# Altium PCB environment.PcbDoc (continued)
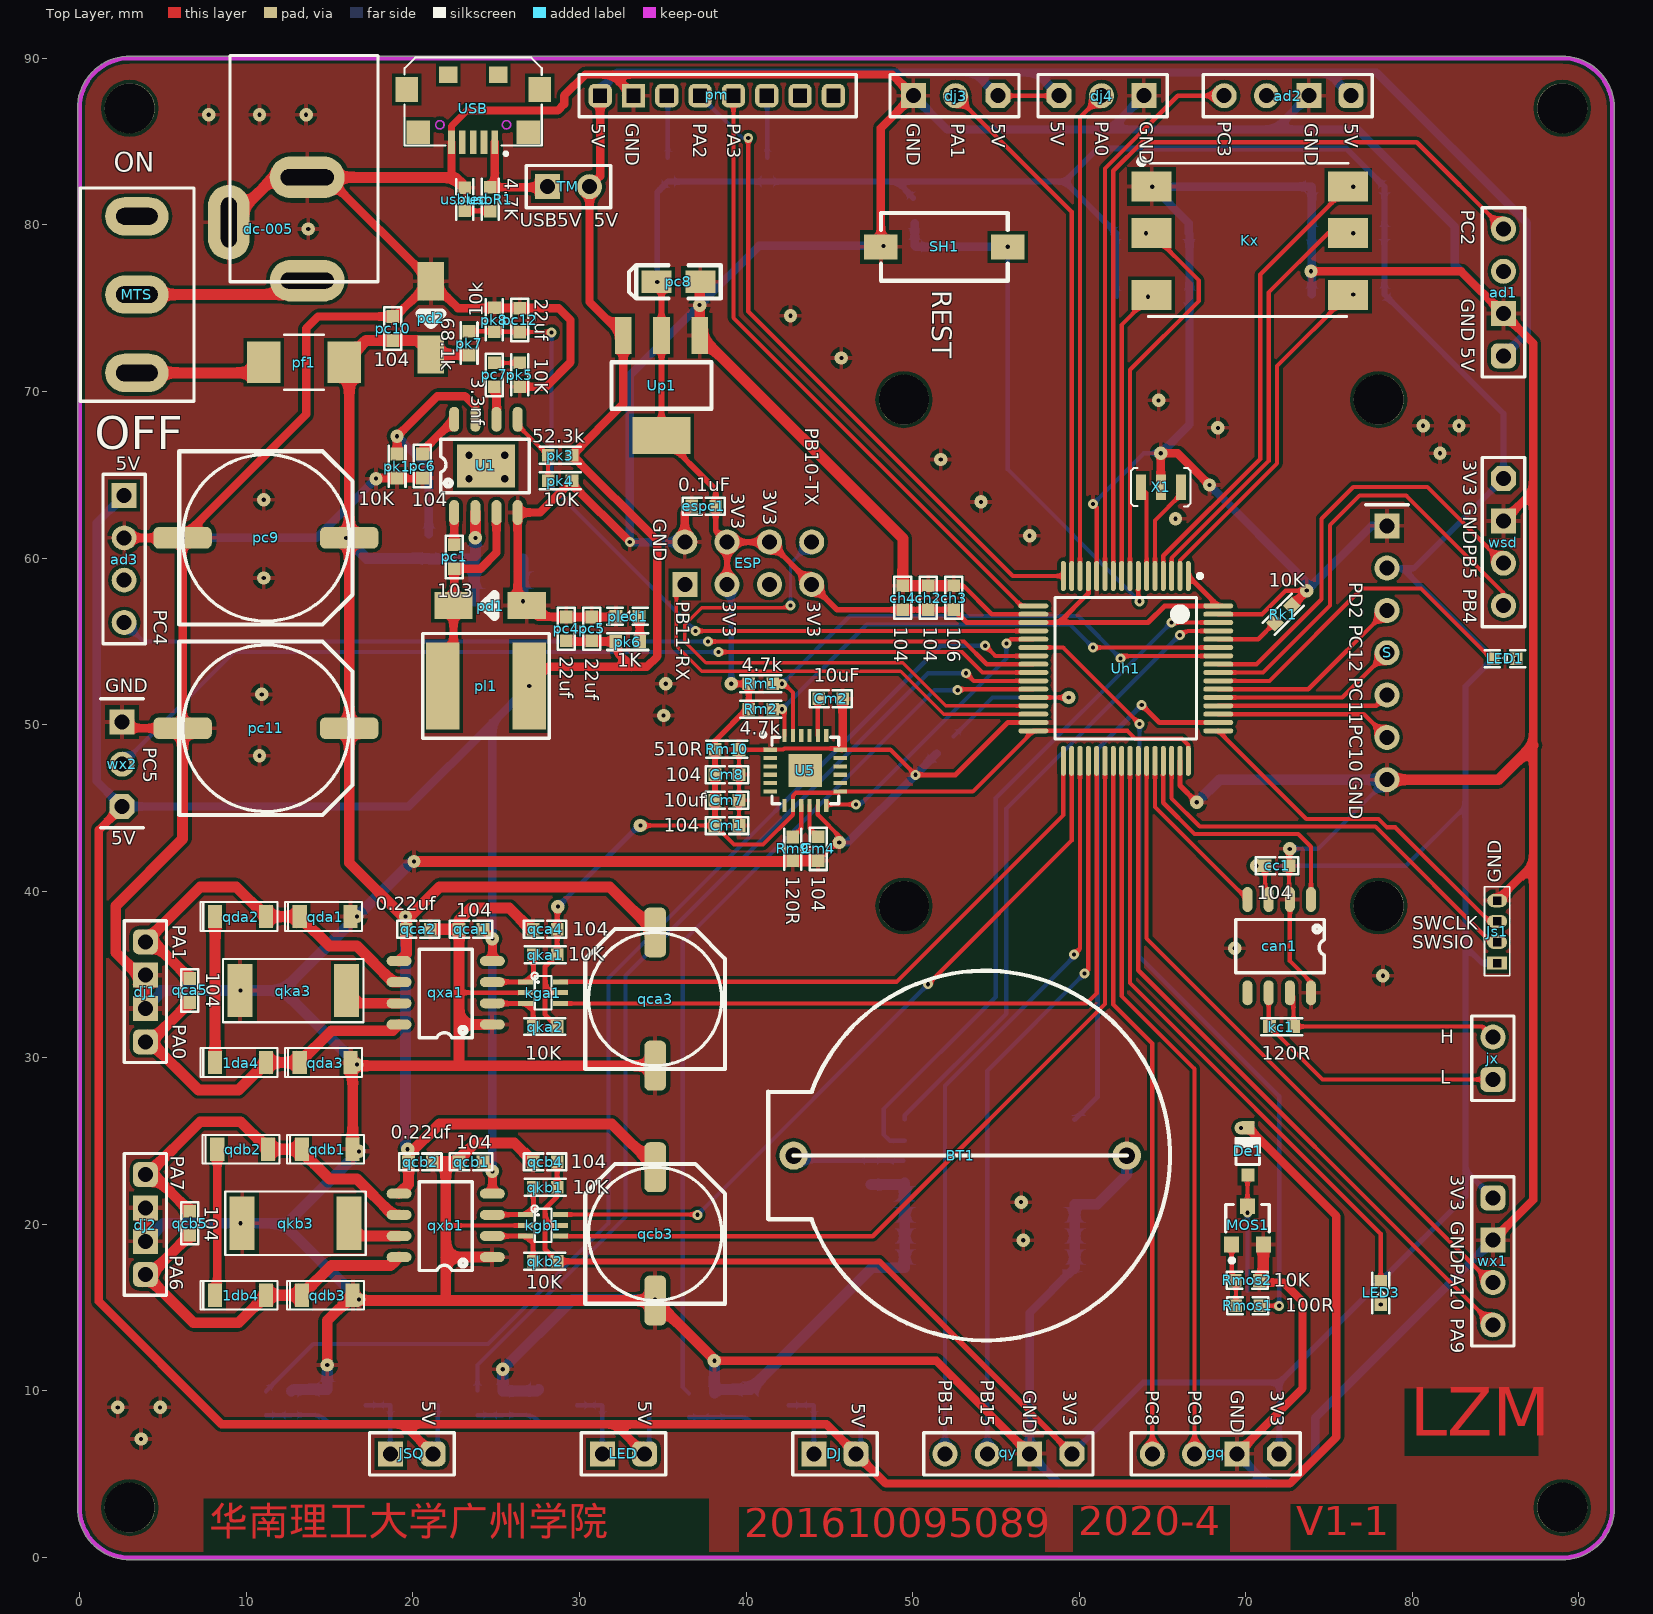
[diagram p0: Top Layer view]
## Part data (continued)
DJ JSQ jx LED PFMQ TM: library part "Header 2", "Header, 2-Pin"
dj3 dj4 wx2: library part "Header 3_1", "Header 3_1"
ESP: "HDE2X4"
Js1: library part "Header, 1*4-Pin"
kc1 Key1 Key2 Key3 Key4 Key5 pk1 pk2 pk3 pk4 pk5 pk6 pk7 pk8 qka1 qka2 qka3 qkb1 qkb2 qkb3 Rdj1 Rdj2 RH2 Rjsq1 Rjsq2 Rk1 Rk2 RL1 RL3 Rled1 Rled2 Rmos1 Rmos2 rpm1 rpm2 usbR1: library part R
Kx: library part XD_Key
LED1 LED3 pled1 usbled: library part LED
MOS1 MOS2 MOS3 MOS4: library part MOS-N, "AP2306"
pc8 pc9 pc11 qca3 qcb3: "Polarized Capacitor (Axial)"
pf1: library part "Fuse 2", "Fuse"
pl1: library part LS1
pm: library part "Header 8", "Header, 8-Pin"
qxa1 qxb1: library part A4951, "A4951"
Rm1 Rm2 Rm9 Rm10: library part Res1, "Resistor"
S: library part "Header 1X7_2_54", "7pin2_54mm"
SH1: library part KEY_DT
U1: library part MP2303A, "MPS MP2303ADN-LF-Z"
U2: "带温补的实时时钟芯片"
U5: library part MPU9250, "9轴运动处理传感器"
Up1: library part 1117-3.3, "SOT-223"
USB: library part USB5
X1: library part XTAL-3215

## Free pads (board coordinates)
  round 3 hole 3 unplated: 1(77.978,69.516) 2(77.978,39.116) 3(3,3) 3(3,87) 3(49.478,69.516) 3(89,3) 3(89,87) 4(49.478,39.116)

## Via types
v1: diameter 0.8, hole 0.25, Top Layer to Bottom Layer, 67 vias
v2: diameter 0.6, hole 0.25, Top Layer to Bottom Layer, 37 vias
v3: diameter 0.8, hole 0.45, Top Layer to Bottom Layer, 4 vias

## Nets (pads, with @x,y where several pads share a name; then routed paths per layer and width w, separated by ;. In a path a pad name is that pad's centre, name@x,y a point inside that pad or via, vN(x,y) a via of type N, cw(c..) or ccw(c..) an arc to the next point about the centre after c; other vN are vias at no path point)
3V3: can1.3 cc1.2 ch2.1 ch3.1 ch4.2 Cm1.2 Cm7.2 Cm8.2 ESP.3 ESP.4 ESP.6 ESP.7 espc1.1 gq.1 Js1.1 Key1.2 Key2.2 Key3.2 Key4.2 Key5.2 kga1.5 kgb1.5 pc8.1 qca4.2 qcb4.2 qka1.2 qka2.1 qkb1.2 qkb2.1 qy.1 RH2.2 RL1.2 RL3.2 Rm1.2 Rm2.2 Rm10.2 rpm1.1 rpm2.1 S.2 U5.8 U5.13 Uh1.1 Uh1.13 Uh1.19 Uh1.32 Uh1.48 Uh1.64 Up1.2 Up1.4 wsd.1 wx1.4 | length 357.7
  Top Layer w0.254: v1(33.655,43.942) 38.136,43.942 Cm1.2 39.283,42.799 41.021,42.799 42.811,44.589 U5.8 42.811,45.732 42.996,45.917 45.585,45.917 U5.13 53.614,45.994 Uh1.32 62.894,49.628 63.373,49.149 66.167,49.149 66.548,48.768 Uh1.48 ; cc1.2 71.158,39.719 can1.3
  Top Layer w0.3: qkb2.1 27.94,18.491 27.94,20.32 ; qka2.1 27.94,32.588 27.94,34.29 ; qcb4.2 qkb1.2 28.664,21.679 27.94,20.955 27.94,20.32 ; v1@28.664,39.078 qca4.2 qka1.2 27.94,35.469 27.94,34.29 ; kgb1.5 28.321,19.939 27.94,20.32 ; kga1.5 28.321,33.909 27.94,34.29 ; ch3.1 53.244,56.128 Uh1.19 58.795,56.128 ; Uh1.13 60.548,57.881 58.795,56.128 ; Uh1.1 Uh1.64 65.129,57.128 64.129,56.128 58.795,56.128
  Top Layer w0.35: qkb2.1 48.006,17.78 qy.1 ; pc8.1@34.925,76.414 Up1.2 Up1.4 38.176,64.107 espc1.1 38.176,61.646 ESP.4 ; Cm1.2 Cm7.2 Cm8.2 Rm10.2 38.138,49.024 40.17,51.056 40.17,52.58 40.041,52.451 v1(39.116,52.451) ; ESP.3 ESP.4 ; ch3.1@52.451,56.896 ch4.2 45.466,56.896 ESP.7 ESP.6 ESP.4
  Bottom Layer w0.254: Key1.2 62.268,79.464 Key2.2 ; v1(70.652,41.529) 79.629,41.529 83.185,45.085
  Bottom Layer w0.3: v1(28.704,39.078) 33.57,43.944 33.571,43.942 v1(33.655,43.942)
  Bottom Layer w0.35: v1(34.671,76.581) 34.671,81.966 rpm1.1 rpm2.1 49.058,82.601 ; ESP.3 39.116,58.166 v1(39.116,52.451) ; RH2.2 49.058,82.601 ; qy.1 63.841,10.501 72.009,10.501 ; Key1.2 59.131,82.601 ; gq.1 72.009,10.501 ; S.2 79.4,59.397 ; wx1.4 83.185,23.241 ; Js1.1 84.201,35.687 83.185,36.703 ; 49.058,82.601 59.131,82.601 ; 59.131,82.601 61.112,84.582 76.037,84.582 Key5.2 Key4.2 Key3.2 85.471,68.671 wsd.1 80.098,59.397 79.4,59.397 ; 72.009,10.501 RL3.2 83.185,21.677 83.185,23.241 ; 79.4,59.397 RL1.2 83.185,52.31 83.185,45.085 83.185,36.703 ; 83.185,23.241 83.185,36.703
5V: ad1.1 ad2.1 ad3.1 De1.2 De2.2 De3.2 De4.2 dj3.1 dj4.1 DJ.1 JSQ.1 LED.1 pc4.2 pc5.2 PFMQ.1 pk3.2 pk6.1 pl1.2 pm.1 qca1.1 qcb1.1 qxa1.4 qxb1.4 TM.1 Up1.3 wx2.1 | length 353.5
  Top Layer w0.254: dj3.1 dj4.1
  Top Layer w0.5: wx2.1@2.413,45.085 wx2.1 1.143,43.688 1.143,15.367 8.509,8.001 19.431,8.001 ; JSQ.1 19.431,8.001 ; qcb1.1 v1(24.771,23.184) qxb1.4 ; qca1.1 v1(24.771,37.154) qxa1.4 ; v1(26.984,52.324) 28.127,53.467 33.147,53.467 ; pc4.2@29.373,54.991 32.309,54.991 32.309,54.305 33.147,53.467 ; pm.1 31.242,82.931 TM.1 30.607,75.376 Up1.3 32.625,69.237 pk3.2 34.671,61.047 34.671,54.102 34.036,53.467 33.147,53.467 ; LED.1 32.131,8.001 ; De1.2 75.438,20.498 75.438,7.239 72.644,4.445 48.387,4.445 DJ.1 44.831,8.001 32.131,8.001 ; 19.431,8.001 32.131,8.001
  Bottom Layer w0.254: JSQ.1 ccw(c20.534,6.898) 21.488,6.898 De2.2 ; LED.1 ccw(c33.234,6.898) 34.188,6.898 De3.2 ; DJ.1 ccw(c45.934,6.898) 46.888,6.898 De4.2
  Bottom Layer w0.5: ad3.1 1.016,62.103 1.016,46.609 wx2.1 19.745,45.085 24.771,50.111 ; v1(24.771,23.184) v1(24.771,37.154) 24.771,50.111 ; v1(26.984,52.324) 24.771,50.111 ; pm.1 31.242,88.138 32.258,89.154 53.721,89.154 ; dj3.1 53.721,89.154 ; dj4.1 57.404,89.154 ; ad2.1 74.93,89.154 ; ad1.1 86.868,73.533 86.868,80.137 77.851,89.154 74.93,89.154 ; 53.721,89.154 57.404,89.154 ; 57.404,89.154 74.93,89.154
  other v1: 69.723,25.781
+3.3V: U2.2
BAT_IN: dc-005.1 MTS.2 | length 9.4
  Top Layer w0.65: MTS.2 dc-005.1@12.816,75.819
BOOT0: Rk1.2 Uh1.60 | length 3.8
  Top Layer w0.254: Uh1.60 70.747,55.128 Rk1.2
BOOT1: Rk2.2 Uh1.28 | length 10
  Top Layer w0.254: Uh1.28 v1(59.375,51.628)
  Bottom Layer w0.254: Rk2.2 54.801,51.628 v1(59.375,51.628)
GND: ad1.2 ad2.2 ad3.2 BT1.2 can1.2 can1.8 cc1.1 ch1.1 ch2.2 ch3.2 ch4.1 Cm1.1 Cm2.1 Cm4.1 Cm7.1 Cm8.1 dc-005.2 dc-005.3 dj1.2 dj1.3 dj2.2 dj2.3 dj3.3 dj4.3 dsc1.2 ESP.2 espc1.2 gq.2 Js1.4 keyC1.1 keyC2.1 keyC3.1 keyC4.1 keyC5.1 kga1.2 kgb1.2 Kx.1 MOS1.2 MOS2.2 MOS3.2 MOS4.2 pc2.1 pc3.1 pc4.1 pc5.1 pc6.2 pc8.2 pc9.2 pc10.1 pc11.2 pc12.1 pd1.1 pd2.1 pk1.2 pk4.2 pk5.1 pk8.2 pled1.2 pm.2 qca1.2 qca2.2 qca3.2 qca4.1 qcb1.2 qcb2.2 qcb3.2 qcb4.1 qda1.1 qda3.1 qdb1.1 qdb3.1 qka3.2 qkb3.2 qxa1.1 qxb1.1 qy.2 Rdj2.2 Rjsq2.2 Rk1.1 Rk2.1 Rled2.2 Rm9.2 Rm10.1 Rmos2.2 S.1 S.7 SH1.1 U1.4 U2.5 U2.6 U2.7 U2.8 U2.9 U2.10 U2.11 U2.12 U2.13 U5.1 U5.11 U5.18 Uh1.12 Uh1.18 Uh1.31 Uh1.47 Uh1.63 Up1.1 USB.5 usbled.2 wsd.2 wx1.3 wx2.3 X1.2 | length 840.5
  Top Layer w0.254: 21.973,19.939 kgb1.2 ; 22.771,33.909 kga1.2 ; pk8.2 pc12.1@26.403,75.019 ; Cm1.1 Cm7.1 Cm8.1 Rm10.1 39.593,48.494 U5.1 41.48,48.514 42.234,48.514 42.289,48.569 42.424,48.569 42.426,48.571 44.696,48.571 44.698,48.569 U5.18@45.737,48.569 ; U5.11 44.311,44.589 45.695,43.205 Cm4.1 ; U5.18 48.661,48.494 v2(50.165,46.99) ; ch3.2 53.035,58.344 54.751,56.628 Uh1.18 ; v2(60.833,63.246) 61.048,63.031 Uh1.12 ; Uh1.63 70.979,56.628 72.39,58.039 v1@73.66,58.039 ; v1@72.593,42.494 cc1.1 72.593,39.554 can1.2 72.644,35.814 73.914,34.544 can1.8
  Top Layer w0.3: v2(50.165,46.99) 52.578,46.99 55.716,50.128 Uh1.31 ; Uh1.47 66.048,46.347 v1(67.056,45.339)
  Top Layer w0.35: pm.2 pm.2@33.242,88.17
  Top Layer w0.4: USB.5 22.322,85.933 23.257,86.868
  Top Layer w0.5: wx2.3 2.921,49.784 pc11.2 v1(6.176,61.214) ; ad3.2 v1(6.176,61.214) ; dc-005.3@14.848,82.856 pd2.1 ; v1@17.818,64.808 pk1.2 pc6.2 ; USB.5 22.322,83.026 22.492,82.856 ; 23.257,86.868 28.702,86.868 29.083,87.249 29.083,87.757 30.353,89.027 31.972,89.027 ; pk5.1 27.991,70.282 29.464,71.755 29.464,74.295 28.753,75.006 pc12.1 22.698,75.006 pd2.1 ; pc4.1@29.337,56.464 pd1.1@27.524,56.464 ; pled1.2@32.322,56.517 32.269,56.464 pd1.1@27.524,56.464 ; v2(33.02,60.96) 29.553,64.427 pk4.2 27.644,62.732 U1.4 26.289,57.699 pd1.1 pd1.1@27.524,56.464 ; pm.2 31.972,89.027 ; ESP.2 36.322,62.702 espc1.2 ; v1(38.1,11.811) 51.435,11.811 qy.2 ; U5.18@45.737,48.569 45.796,48.628 Cm2.1 ; SH1.1 48.095,85.814 dj3.3 48.768,89.027 31.972,89.027 ; X1.2 v1(64.897,66.294) 65.913,66.294 v1(67.818,64.389) ; gq.2 73.406,10.16 73.406,15.367 72.263,16.51 70.928,16.51 Rmos2.2 ; Rk1.1 v1@73.66,58.039 ; v1(73.914,77.216) 82.931,77.216 ad1.2 87.249,72.898 87.249,64.008 ; wx1.3 87.249,21.463 87.249,41.596 ; Js1.4 87.249,41.596 ; wsd.2 87.249,64.008 ; v1(6.176,61.214) 13.589,68.627 13.589,73.787 14.3,74.498 pc10.1 18.958,74.498 pd2.1 ; 87.249,41.596 87.249,48.768 87.249,64.008
  Top Layer w0.65: dj2.3 dj2.2 ; dj1.3 dj1.2 3.524,34.957 2.159,36.322 2.159,39.116 6.176,43.133 pc11.2 ; dc-005.2 11.653,82.856 dc-005.3 14.848,82.856 22.492,82.856 usbled.2 ; v1(14.859,11.557) 14.859,14.223 qdb3.1 16.701,15.431 qcb3.2 38.1,11.875 v1(38.1,11.811) ; qda3.1 16.384,29.591 qdb1.1 ; qda3.1@16.637,29.528 qca3.2 ; v1(20.066,41.783) 42.759,41.783 Rm9.2 Cm4.1@44.31,41.821 ; qca2.2 21.047,37.721 qca1.2 ; qcb2.2 21.174,23.751 21.973,23.751 ; 21.973,15.433 21.973,18.034 ; 22.771,29.566 22.771,32.004 ; qxb1.1 21.973,18.034 ; qxa1.1 22.771,32.004 ; qcb4.1 26.086,24.892 23.749,24.892 22.771,23.914 qcb1.2 21.973,23.751 ; qca4.1 27.051,37.719 25.781,38.989 23.495,38.989 22.771,38.265 qca1.2 ; pc8.2@37.225,76.428 Up1.1 49.416,61.167 ch4.1 ch3.2@52.453,58.331 ; Rmos2.2 71.054,16.887 MOS1.2 ; S.7 85.178,46.697 87.249,48.768 ; 21.973,18.034 21.973,23.751 ; 22.771,32.004 qca1.2
  Bottom Layer w0.254: v2(60.833,63.246) 63.881,66.294 v1(64.897,66.294) ; v1(72.644,42.545) 74.326,42.545 S.7
  Bottom Layer w0.5: v1(6.176,61.214) 14.224,61.214 v1(17.78,64.77) ; ESP.2 v2(33.02,60.96) 33.02,70.993 v1(37.211,75.184) 40.767,78.74 v1(48.26,78.74) ; v1(45.593,42.926) 46.101,42.926 v2(50.165,46.99) Rk2.1 ; dj3.3 52.07,85.725 61.849,85.725 ; U2.8 57.023,14.692 qy.2 58.801,4.445 71.247,4.445 ; dj4.3 61.849,85.725 ; v1(64.897,66.294) 66.624,68.021 keyC2.1 66.624,79.466 keyC1.1 66.586,80.099 v1(64.389,82.296) keyC5.1 keyC4.1 keyC3.1 ; v1(67.818,64.389) 73.66,58.547 v1(73.66,58.045) 77.552,61.937 S.1 ; gq.2 71.247,4.445 ; ad2.2 71.755,85.725 ; wx1.3 74.168,8.382 74.168,5.969 72.644,4.445 71.247,4.445 ; ad1.2 82.55,77.597 82.55,79.883 76.708,85.725 71.755,85.725 ; 61.849,85.725 71.755,85.725
  Bottom Layer w0.65: dj2.3 5.016,20.066 v1(9.652,20.066) 12.192,20.066 ; dj1.3 4.858,33.878 4.858,34.036 v1(9.652,34.036) 12.192,34.036 ; Rjsq2.2 cw(c12.938,9.756) 12.938,10.094 MOS2.2 14.854,11.552 v1(14.859,11.557) ; v1(16.637,29.591) 12.192,34.036 ; v1(16.764,15.494) 12.192,20.066 ; v1(16.764,24.384) 12.446,20.066 12.192,20.066 ; v1(20.066,41.783) 19.939,41.783 v1(16.637,38.481) 12.192,34.036 ; v1(26.607,57.404) pc3.1 ; MOS3.2 27.455,9.995 Rled2.2 v1(25.398,11.301) 29.591,15.494 v1(34.544,15.494) ; v1(38.1,11.811) 38.098,11.809 Rdj2.2 cw(c38.644,9.322) 38.644,10.094 MOS4.2 47.559,17.399 U2.9 U2.10 U2.11 U2.12 U2.13 49.441,22.39 dsc1.2 ; U2.8 U2.7 U2.6 U2.5 61.087,21.209 62.856,22.978 BT1.2 ; v1(67.056,45.339) 68.414,46.697 S.7
  other v1: 3.683,7.112 2.286,9.017 4.826,9.017 56.642,19.05 56.515,21.336 78.232,34.925 69.342,36.576 10.795,48.133 35.052,50.546 10.922,51.816 35.179,52.451 11.049,58.801 57.023,61.341 65.786,62.357 54.102,63.373 11.049,63.5 51.689,65.913 81.661,66.294 68.326,67.818 80.645,67.945 82.804,67.945 64.77,69.469 45.72,72.009 42.672,74.549 13.716,79.756 7.747,86.614 10.795,86.614 13.589,86.614
KEY1: Key1.1 keyC1.2 Kx.2 Uh1.8 | length 25.3
  Top Layer w0.254: Uh1.8 63.048,71.303 67.183,75.438 67.183,76.669 Kx.2
  Bottom Layer w0.254: v2(64.008,79.502) 63.667,79.502 Key1.1 65.149,79.504 keyC1.2
KEY2: Key2.1 keyC2.2 Kx.3 Uh1.9 | length 18.9
  Top Layer w0.254: Uh1.9 62.548,74 Kx.3@64.188,75.639
  Bottom Layer w0.254: Key2.1 v2(64.135,75.692) keyC2.2@65.187,75.692
KEY3: Key3.1 keyC3.2 Kx.6 Uh1.2 | length 22.5
  Top Layer w0.254: Uh1.2 66.048,59.853 71.882,65.687 71.882,71.534 Kx.6
  Bottom Layer w0.254: keyC3.2 76.452,75.821 v2(76.454,75.819) Key3.1
KEY4: Key4.1 keyC4.2 Kx.5 Uh1.3 | length 27.2
  Top Layer w0.254: Uh1.3 65.548,59.995 71.374,65.821 71.374,75.946 74.93,79.502 Kx.5
  Bottom Layer w0.254: keyC4.2 76.884,79.504 Key4.1
  other v2: 76.454,79.502
KEY5: Key5.1 keyC5.2 Kx.4 Uh1.4 | length 29.5
  Top Layer w0.254: Uh1.4 65.048,60.137 70.866,65.955 70.866,77.018 Kx.4
  Bottom Layer w0.254: keyC5.2 76.452,82.298 v2(76.454,82.296) Key5.1
M1-OUT1: dj1.1 qca5.2 qda1.2 qda2.1 qxa1.6 | length 22.5
  Top Layer w0.65: qca5.2 4.409,36.957 dj1.1 7.239,40.259 9.399,40.259 qda2.1 qda1.2 14.985,36.703 16.637,36.703 18.796,34.544 qxa1.6
M1-OUT2: 1da4.1 dj1.4 qca5.1 qda3.2 qxa1.8 | length 21.1
  Top Layer w0.65: qca5.1 4.236,30.957 7.126,28.067 9.526,28.067 1da4.1 qda3.2 15.112,31.623 18.79,31.623 qxa1.8
M2-OUT1: dj2.1 qcb5.2 qdb1.2 qdb2.1 qxb1.6 | length 22.3
  Top Layer w0.65: qcb5.2 4.409,22.987 4.064,22.987 7.239,26.162 9.653,26.162 qdb2.1 qdb1.2 13.334,24.385 14.986,22.733 16.637,22.733 18.796,20.574 qxb1.6
M2-OUT2: 1db4.1 dj2.4 qcb5.1 qdb3.2 qxb1.8 | length 21.7
  Top Layer w0.65: qcb5.1 4.236,16.987 dj2.4 6.827,14.097 9.526,14.097 1db4.1 qdb3.2 15.112,17.526 18.663,17.526 qxb1.8
Net1da4_2: 1da4.2 qda2.2 | length 8.8
  Top Layer w0.65: 1da4.2 qda2.2
Net1db4_2: 1db4.2 qdb2.2 | length 8.8
  Top Layer w0.5: 1db4.2 8.254,15.875 qdb2.2
NetBT1_1: BT1.1 dsc1.1 U2.14 | length 6.7
  Bottom Layer w0.254: BT1.1 43.161,23.825 dsc1.1 U2.14@49.454,23.825
Netcan1_6: can1.6 jx.2 kc1.1 | length 16.8
  Top Layer w0.254: can1.6 71.374,31.928 kc1.1 74.6,28.702 jx.2
Netcan1_7: can1.7 jx.1 kc1.2 | length 14.4
  Top Layer w0.254: can1.7 72.86,33.687 kc1.2 84.203,31.875 jx.1
NetCm2_2: Cm2.2 U5.20 | length 2.2
  Top Layer w0.254: U5.20 Cm2.2@44.311,51.514
NetCm4_2: Cm4.2 U5.10 | length 2.1
  Top Layer w0.254: U5.10 43.811,43.783 Cm4.2
NetDe1_1: De1.1 MOS1.3 PFMQ.2 | length 6.5
  Top Layer w0.254: MOS1.3 De1.1@70.104,22.936
  Bottom Layer w0.254: PFMQ.2 v2(70.104,20.701)
NetDe2_1: De2.1 JSQ.2 MOS2.3 | length 4.4
  Bottom Layer w0.254: MOS2.3 De2.1 18.644,6.284 ccw(c18.73,6.284) JSQ.2
NetDe3_1: De3.1 LED.2 MOS3.3 | length 4.4
  Bottom Layer w0.254: MOS3.3 De3.1 cw(c31.282,9.083) 31.369,9.083 LED.2
NetDe4_1: De4.1 DJ.2 MOS4.3 | length 4.4
  Bottom Layer w0.254: MOS4.3 De4.1 cw(c43.982,9.083) 44.069,9.083 DJ.2
Netkga1_1: kga1.1 qka1.1 qxa1.3 | length 3.8
  Top Layer w0.3: qxa1.3@24.771,34.559 kga1.1 27.229,35.025 qka1.1
Netkga1_3: kga1.3 qka2.2 qxa1.2 | length 3.5
  Top Layer w0.3: qxa1.2@24.771,33.259 kga1.3 ; kga1.3@26.788,33.234 27.216,32.806 qka2.2
Netkgb1_1: kgb1.1 qkb1.1 qxb1.3 | length 3.8
  Top Layer w0.3: qxb1.3 24.786,20.589 kgb1.1 27.229,21.055 qkb1.1
Netkgb1_3: kgb1.3 qkb2.2 qxb1.2 | length 3.7
  Top Layer w0.3: qxb1.2 24.786,19.289 kgb1.3 27.216,18.836 qkb2.2
NetLED1_1: LED1.1 RL1.1
  other v2: 86.246,53.959
NetLED3_1: LED3.1 RL3.1
  other v2: 78.105,15.189
NetMOS1_1: MOS1.1 Rmos1.2 Rmos2.1 | length 3.8
  Top Layer w0.254: MOS1.1 69.154,16.85 Rmos2.1 69.406,16.599 Rmos1.2
NetMOS2_1: MOS2.1 Rjsq1.2 Rjsq2.1 | length 3.8
  Bottom Layer w0.254: Rjsq1.2 12.669,8.547 ccw(c12.669,8.59) Rjsq2.1 13.97,8.56 cw(c13.97,7.311) MOS2.1
NetMOS3_1: MOS3.1 Rled1.2 Rled2.1 | length 3.8
  Bottom Layer w0.254: Rled1.2 25.369,8.547 ccw(c25.369,8.59) Rled2.1 26.67,8.56 cw(c26.67,7.311) MOS3.1
NetMOS4_1: MOS4.1 Rdj1.2 Rdj2.1 | length 3.7
  Bottom Layer w0.254: Rdj1.2@36.578,8.42 38.069,8.42 ccw(c38.069,8.463) Rdj2.1 39.677,8.433 cw(c39.677,7.617) MOS4.1
Netpc1_1: pc1.1 pd1.2 pl1.1 U1.3 | length 12.6
  Top Layer w0.5: pl1.1 22.438,52.978 pd1.2 ; pd1.2@22.479,57.191 pc1.1 24.054,59.36 25.019,60.325 U1.3
Netpc1_2: pc1.2 U1.1 | length 1.9
  Top Layer w0.5: pc1.2@22.479,60.797 U1.1
Netpc6_1: pc6.1 U1.8 | length 2.9
  Top Layer w0.254: pc6.1 pc6.1@20.574,66.427
  Top Layer w0.5: pc6.1@20.574,66.427 U1.8
Netpc7_1: pc7.1 U1.6 | length 1.8
  Top Layer w0.5: U1.6 pc7.1@25.019,70.155
Netpc7_2: pc7.2 pk5.2 | length 1.5
  Top Layer w0.254: pc7.2 pk5.2
Netpk1_1: pk1.1 pk2.1 U1.7 | length 14.5
  Top Layer w0.5: pk1.1 v1(19.05,67.31) 21.463,69.723 23.114,69.723 23.749,69.088 U1.7
  Bottom Layer w0.5: v1(19.05,67.31) 20.955,65.405 pk2.1
Netpk3_1: pk3.1 pk4.1 U1.5 | length 4.1
  Top Layer w0.254: U1.5@26.289,67.996 pk3.1 pk4.1
Netpk6_2: pk6.2 pled1.1 | length 1.5
  Top Layer w0.5: pk6.2 pled1.1@33.617,56.477
Netpm_3: pm.3 rpm1.2 | length 3.8
  Top Layer w0.254: pm.3 pm.3@35.308,87.691
  Bottom Layer w0.254: rpm1.2 pm.3@35.304,87.695
Netpm_6: pm.6 rpm2.2 | length 3.7
  Bottom Layer w0.254: rpm2.2 pm.6@41.273,87.726
Netqka3_1: qka3.1 qxa1.7 | length 3.5
  Top Layer w0.65: qka3.1 16.789,33.274 qxa1.7
Netqkb3_1: qkb3.1 qxb1.7 | length 3.3
  Top Layer w0.65: qkb3.1 16.916,19.304 qxb1.7
NetRm9_1: Rm9.1 U5.9 | length 2.1
  Top Layer w0.254: Rm9.1 43.311,43.768 U5.9
NetUh1_5: Uh1.5 X1.1 | length 5.5
  Top Layer w0.254: Uh1.5 64.548,62.262 X1.1@66.097,63.811
NetUh1_6: Uh1.6 X1.3 | length 5.5
  Top Layer w0.254: X1.3 64.048,63.911 Uh1.6
Netusbled_1: usbled.1 usbR1.1 | length 1.5
  Top Layer w0.3: usbled.1 usbR1.1@24.613,80.848
NRST: ch1.2 RH2.1 SH1.2 Uh1.7 | length 33
  Top Layer w0.254: Uh1.7 63.548,57.483 v2(63.627,57.404)
  Bottom Layer w0.254: v2(55.715,78.685) 55.715,65.316 v2(63.627,57.404)
  Bottom Layer w0.5: ch1.2 RH2.1@50.127,80.099 ; ch1.2@50.184,78.685 v2(55.715,78.685)
PA0: dj4.2 Uh1.14 | length 29.4
  Top Layer w0.254: Uh1.14 60.048,86.464 dj4.2
PA1: dj3.2 Uh1.15 | length 31.7
  Top Layer w0.254: dj3.2 59.548,80.787 Uh1.15
PA2: pm.4 Uh1.16 | length 39.8
  Top Layer w0.254: v2(40.132,85.217) 40.132,74.803 56.007,58.928 Uh1.16
  Bottom Layer w0.254: pm.4 39.782,85.217 v2(40.132,85.217)
PA3: pm.5 Uh1.17 | length 38.5
  Top Layer w0.254: pm.5 39.242,74.423 56.537,57.128 Uh1.17
PA4: pc12.2 pk7.2 pk8.1 Uh1.20 | length 46.7
  Top Layer w0.254: pk7.2 pk8.1@24.854,73.622 ; pk8.1 26.402,73.584 pc12.2 v2@28.283,73.571 ; v2(36.957,55.626) 57.246,55.626 Uh1.20
  Bottom Layer w0.254: v2(28.321,73.533) 28.321,64.262 v2(36.957,55.626)
PA5: U5.12 Uh1.21 | length 17.1
  Top Layer w0.254: U5.12 44.88,45.212 v2(46.609,45.212) ; v2(55.626,54.864) 55.89,55.128 Uh1.21
  Bottom Layer w0.254: v2(46.609,45.212) 46.863,45.212 55.626,53.975 v2(55.626,54.864)
PA6: Rmos1.1 Uh1.22 | length 47.8
  Top Layer w0.254: Uh1.22 59.037,54.628 v2(63.627,50.038) ; Rmos1.1 v2(72.009,15.113)
  Bottom Layer w0.254: v2(63.627,50.038) 63.627,36.068 72.009,27.686 v2(72.009,15.113)
PA7: Rjsq1.1 Uh1.23 | length 73.5
  Top Layer w0.254: v2(54.356,54.737) 54.965,54.128 Uh1.23
  Bottom Layer w0.254: Rjsq1.1 14.021,12.827 24.504,12.827 31.75,20.073 31.75,34.798 51.689,54.737 v2(54.356,54.737)
PA8: LED3.2 Uh1.41 | length 37.6
  Top Layer w0.254: Uh1.41 63.048,34.488 78.105,19.431 LED3.2@78.105,16.51
PA9: Uh1.42 wx1.1 | length 42.7
  Top Layer w0.254: Uh1.42 63.548,35.258 wx1.1
PA10: Uh1.43 wx1.2 | length 40
  Top Layer w0.254: Uh1.43 64.048,37.171 84.709,16.51 wx1.2
PA11: can1.4 Uh1.44 | length 10.6
  Top Layer w0.254: Uh1.44 64.548,45.059 can1.4
PA12: can1.1 Uh1.45 | length 15.6
  Top Layer w0.254: Uh1.45 65.048,45.315 66.929,43.434 73.152,43.434 73.914,42.672 can1.1
PA13: Js1.2 Uh1.46 | length 25.4
  Top Layer w0.254: Uh1.46 65.548,45.577 67.237,43.888 77.778,43.888 84.729,36.937 Js1.2
PA14: Js1.3 Uh1.49 | length 21.5
  Top Layer w0.254: Uh1.49 73.634,44.342 77.966,44.342 78.474,43.834 78.975,43.834 84.622,38.187 Js1.3
PA15: U2.1 Uh1.50 | length 31.6
  Top Layer w0.3: v2(63.754,51.181) 64.807,50.128 Uh1.50
  Bottom Layer w0.3: U2.1 61.087,27.646 61.087,48.514 v2(63.754,51.181)
PB0: Rled1.1 Uh1.26 | length 60.8
  Top Layer w0.254: v2(53.213,53.086) 53.671,52.628 Uh1.26
  Bottom Layer w0.254: Rled1.1@23.876,10.033 23.876,11.557 32.766,20.447 32.766,34.925 50.927,53.086 v2(53.213,53.086)
PB1: Rdj1.1 Uh1.27 | length 54.6
  Top Layer w0.254: v2(52.705,52.07) 52.763,52.128 Uh1.27
  Bottom Layer w0.254: Rdj1.1@36.576,9.855 36.195,10.236 36.195,36.957 51.308,52.07 v2(52.705,52.07)
PB3: LED1.2 Uh1.55 | length 20.5
  Top Layer w0.254: Uh1.55 71.424,52.628 76.962,58.166 80.518,58.166 84.723,53.961 LED1.2
PB4: Uh1.56 wsd.4 | length 27.5
  Top Layer w0.254: Uh1.56 71.035,53.128 75.057,57.15 75.057,61.976 76.835,63.754 79.629,63.754 85.471,57.912 wsd.4
PB5: Uh1.57 wsd.3 | length 26.2
  Top Layer w0.254: Uh1.57 70.646,53.628 74.549,57.531 74.549,62.357 76.454,64.262 80.899,64.262 wsd.3
PB6: Rm1.1 U5.23 Uh1.58 | length 32.8
  Top Layer w0.254: Rm1.1@41.605,52.578 42.164,52.578 42.811,51.931 U5.23 ; v2@62.637,54.128 Uh1.58
  Bottom Layer w0.254: v2(42.164,52.451) 46.228,56.515 59.944,56.515 v2(62.484,53.975)
PB7: Rm2.1 U5.24 Uh1.59 | length 31.2
  Top Layer w0.254: Rm2.1@41.605,51.054 42.164,51.054 42.311,50.907 U5.24 ; v2(60.833,54.628) Uh1.59
  Bottom Layer w0.254: v2(42.164,50.927) 47.244,56.007 59.454,56.007 v2(60.833,54.628)
PB8: U2.16 Uh1.61 | length 38.3
  Top Layer w0.254: v2(66.04,55.372) cw(c66.658,54.754) 66.658,55.628 Uh1.61
  Bottom Layer w0.254: U2.16 49.53,26.55 55.626,32.646 55.626,44.958 v2(66.04,55.372)
PB9: U2.15 Uh1.62 | length 42.1
  Top Layer w0.254: v2@65.532,56.128 Uh1.62
  Bottom Layer w0.254: U2.15 48.641,25.019 48.26,25.4 48.26,26.924 54.991,33.655 54.991,45.593 v2(65.532,56.134)
PB10: ESP.8 Uh1.29 | length 34.7
  Top Layer w0.2: v2(42.672,57.15) 42.545,57.023 37.338,57.023 36.322,56.007 36.322,54.991 37.592,53.721 49.403,53.721 51.996,51.128 Uh1.29
  Bottom Layer w0.2: v2(42.672,57.15) 42.672,59.69 ESP.8
PB11: ESP.1 Uh1.30 | length 27
  Top Layer w0.2: ESP.1 35.814,57.912 35.814,54.737 37.338,53.213 49.276,53.213 51.861,50.628 Uh1.30
PB12: kga1.6 Uh1.33 | length 37.6
  Top Layer w0.254: kga1.6 49.037,34.559 59.048,44.57 Uh1.33
PB13: kgb1.6 Uh1.34 | length 44.8
  Top Layer w0.254: kgb1.6 v2@37.084,20.589 ; v2(50.927,34.417) 59.548,43.038 Uh1.34
  Bottom Layer w0.254: v2(37.084,20.574) v2(50.927,34.417)
PB14: qy.4 Uh1.35 | length 45
  Top Layer w0.254: v2(59.69,36.195) 60.048,36.553 Uh1.35
  Bottom Layer w0.254: qy.4 51.943,28.321 59.69,36.068 v2(59.69,36.195)
PB15: qy.3 Uh1.36 | length 44.1
  Top Layer w0.254: v2(60.325,35.052) 60.548,35.275 Uh1.36
  Bottom Layer w0.254: qy.3 54.483,29.21 v2(60.325,35.052)
PC2: ad1.4 Uh1.10 | length 50.6
  Top Layer w0.254: Uh1.10 62.048,83.25 63.761,84.963 80.264,84.963 ad1.4
PC3: ad2.4 Uh1.11 | length 33.4
  Top Layer w0.254: Uh1.11 61.548,83.392 65.913,87.757 ad2.4
PC4: ad3.4 Uh1.24 | length 55.7
  Top Layer w0.254: v2(37.719,54.991) 53.086,54.991 54.449,53.628 Uh1.24
  Bottom Layer w0.254: ad3.4 3.937,54.864 4.064,54.991 v2(37.719,54.991)
PC5: Uh1.25 wx2.2 | length 58
  Top Layer w0.254: v2(38.354,54.356) 52.959,54.356 54.187,53.128 Uh1.25
  Bottom Layer w0.254: wx2.2 9.271,54.356 v2(38.354,54.356)
PC6: kga1.4 Uh1.37 | length 46.4
  Top Layer w0.254: kga1.4 60.437,33.259 61.048,33.87 Uh1.37
PC7: kgb1.4 Uh1.38 | length 53.1
  Top Layer w0.254: kgb1.4 47.61,19.289 61.548,33.227 Uh1.38
PC8: gq.4 Uh1.39 | length 42.6
  Top Layer w0.254: Uh1.39 62.048,33.202 64.389,30.861 gq.4
PC9: gq.3 Uh1.40 | length 43.4
  Top Layer w0.254: Uh1.40 62.548,33.718 66.929,29.337 gq.3
PC10: S.6 Uh1.51 | length 10.7
  Top Layer w0.254: Uh1.51 77.087,50.628 S.6
PC11: S.5 Uh1.52 | length 10.4
  Top Layer w0.254: Uh1.52 77.829,51.128 S.5
PC12: S.4 Uh1.53 | length 11.2
  Top Layer w0.254: Uh1.53 75.789,51.628 S.4
PD2: S.3 Uh1.54 | length 12.1
  Top Layer w0.254: Uh1.54 73.749,52.128 S.3
USB5V: TM.2 USB.1 usbR1.2 | length 6.2
  Top Layer w0.5: USB.1 24.922,82.54 usbR1.2 TM.2@28.067,82.258
VCC: pc2.2 pc3.2 pc9.1 pc10.2 pc11.1 pd2.2 pf1.2 pk2.2 pk7.1 qca2.1 qca3.1 qcb2.1 qcb3.1 qxa1.5 qxb1.5 U1.2 | length 109.7
  Top Layer w0.65: qxb1.5 19.736,22.409 qcb2.1 19.736,24.181 21.59,26.035 31.94,26.035 qcb3.1 ; qxa1.5 19.609,36.252 qca2.1 v1@19.609,38.278 ; pk7.1@23.333,72.222 pd2.2 20.241,73.063 pc10.2 17.183,73.063 pf1.2 16.176,71.454 pc9.1 pc11.1 16.176,41.711 v1@19.609,38.278 ; v1(23.749,61.214) U1.2 ; qca3.1 31.813,40.259 21.59,40.259 v1@19.609,38.278
  Bottom Layer w0.65: v1(16.002,61.214) 17.234,59.982 pk2.2 20.995,59.944 pc3.2 ; v1(19.558,38.481) 19.558,24.638 v1(19.685,24.511) ; pc2.2 pc3.2 ; v1(23.749,61.214) 23.749,60.008 pc3.2
VCC_IN: MTS.1 pf1.1 | length 7.9
  Top Layer w0.65: MTS.1 10.413,71.119 pf1.1
pads on no net: ad1.3 ad2.3 ad3.3 can1.5 ESP.5 MTS.3 pm.7 pm.8 U1.9 U2.3 U2.4 U5.0 U5.2 U5.3 U5.4 U5.5 U5.6 U5.7 U5.14 U5.15 U5.16 U5.17 U5.19 U5.21 U5.22 USB.0 USB.2 USB.3 USB.4
copper on no net:
  other v3: 23.368,64.77 25.527,64.77 23.368,66.167 25.527,66.167

## Polygon pours and split planes (outlines as drawn)
GND on Bottom Layer "Bottom Layer-No Net" (solid, remove dead copper, pour order 4): -3.302,93.472 -1.524,91.694 102.108,91.694 102.108,4.064 88.773,-9.271 83.312,-3.81 -6.223,-3.81
GND on Top Layer "Bottom Layer-No Net" (solid, remove dead copper, pour order 6): -1.651,94.361 97.917,94.361 100.076,92.202 100.076,3.937 91.948,-4.191 90.043,-2.286 -5.334,-2.286

## Keep-outs
Keep-Out Layer:
  lines w0.254: -0.006,3.048 ccw(c3,3) 3.048,-0.006 ; -0.006,86.952 cw(c3,87) 3.048,90.006 ; 0,3.048 0,86.952 ; 3.048,0 89,0 ; 3.048,90 89,90 ; 88.952,-0.006 ccw(c89,3) 92.006,3.048 ; 88.952,90.006 cw(c89,87) 92.006,86.952 ; 92,3.048 92,86.952

## Other copper
Top Layer:
  text "LZM" at 79.883,6.35 h5
  text "华南理工大学广州学院" at 7.747,0.762 h3
  text "2020-4" at 59.944,0.762 h3
  text "V1-1" at 73.025,0.762 h3
  text "201610095089" at 39.878,0.635 h3

## Silkscreen, mask and mechanical layers (free items; w line width, h text height)
Top Overlay:
  text "5V" at 58.293,86.233 h0.8 r270
  text "PA0" at 60.96,86.233 h0.8 r270
  text "GND" at 63.627,86.233 h0.8 r270
  text "PC3" at 68.326,86.233 h0.8 r270
  text "5V" at 30.734,86.106 h0.8 r270
  text "GND" at 32.766,86.106 h0.8 r270
  text "PA2" at 36.83,86.106 h0.8 r270
  text "PA3" at 38.862,86.106 h0.8 r270
  text "GND" at 49.657,86.106 h0.8 r270
  text "PA1" at 52.324,86.106 h0.8 r270
  text "5V" at 54.737,86.106 h0.8 r270
  text "GND" at 73.533,86.106 h0.8 r270
  text "5V" at 75.946,86.106 h0.8 r270
  text "ON" at 2.032,82.804 h2
  text "PC2" at 82.931,80.899 h0.8 r270
  text "USB5V" at 26.416,79.883 h0.8
  text "5V" at 30.861,79.883 h0.8
  text "REST" at 50.8,76.073 h2 r270
  text "GND" at 82.931,75.565 h0.8 r270
  text "5V" at 82.931,72.644 h0.8 r270
  text "PB10-TX" at 43.561,67.818 h0.8 r270
  text "OFF" at 0.889,66.548 h2
  text "3V3" at 83.058,65.913 h0.8 r270
  text "5V" at 2.159,65.278 h0.8
  text "3V3" at 41.021,64.135 h0.8 r270
  text "3V3" at 39.116,63.881 h0.8 r270
  text "GND" at 83.058,63.373 h0.8 r270
  text "GND" at 34.417,62.357 h0.8 r270
  text "PB5" at 83.058,60.833 h0.8 r270
  text "PD2" at 76.2,58.547 h0.8 r270
  text "PB4" at 83.058,58.166 h0.8 r270
  text "PB11-RX" at 35.814,57.404 h0.8 r270
  text "3V3" at 38.608,57.404 h0.8 r270
  text "3V3" at 43.688,57.404 h0.8 r270
  text "PC4" at 4.445,56.896 h0.8 r270
  text "PC12" at 76.2,56.007 h0.8 r270
  text "PC11" at 76.2,52.832 h0.8 r270
  text "GND" at 1.524,51.943 h0.8
  text "PC10" at 76.2,50.038 h0.8 r270
  text "PC5" at 3.81,48.641 h0.8 r270
  text "GND" at 76.2,46.863 h0.8 r270
  text "5V" at 1.905,42.799 h0.8
  text "GND" at 85.344,40.513 h0.8 r90
  text "PA1" at 5.588,37.973 h0.8 r270
  text "SWCLK" at 80.002,37.68 h0.8
  text "SWSIO" at 80.002,36.537 h0.8
  text "PA0" at 5.588,32.004 h0.8 r270
  text "H" at 81.661,30.861 h0.8
  text "L" at 81.661,28.448 h0.8
  text "PA7" at 5.461,24.13 h0.8 r270
  text "3V3" at 82.296,22.987 h0.8 r270
  text "GND" at 82.296,20.193 h0.8 r270
  text "PA6" at 5.41,18.161 h0.8 r270
  text "PA10" at 82.296,17.653 h0.8 r270
  text "PA9" at 82.296,14.351 h0.8 r270
  text "PB15" at 51.562,10.668 h0.8 r270
  text "PB15" at 54.102,10.668 h0.8 r270
  text "GND" at 56.642,10.033 h0.8 r270
  text "3V3" at 59.055,10.033 h0.8 r270
  text "PC8" at 64.008,10.033 h0.8 r270
  text "PC9" at 66.548,10.033 h0.8 r270
  text "GND" at 69.088,10.033 h0.8 r270
  text "3V3" at 71.501,10.033 h0.8 r270
  text "5V" at 20.574,9.398 h0.8 r270
  text "5V" at 33.528,9.398 h0.8 r270
  text "5V" at 46.355,9.271 h0.8 r270